# Altium PCB Receiver-board.PcbDoc (continued)
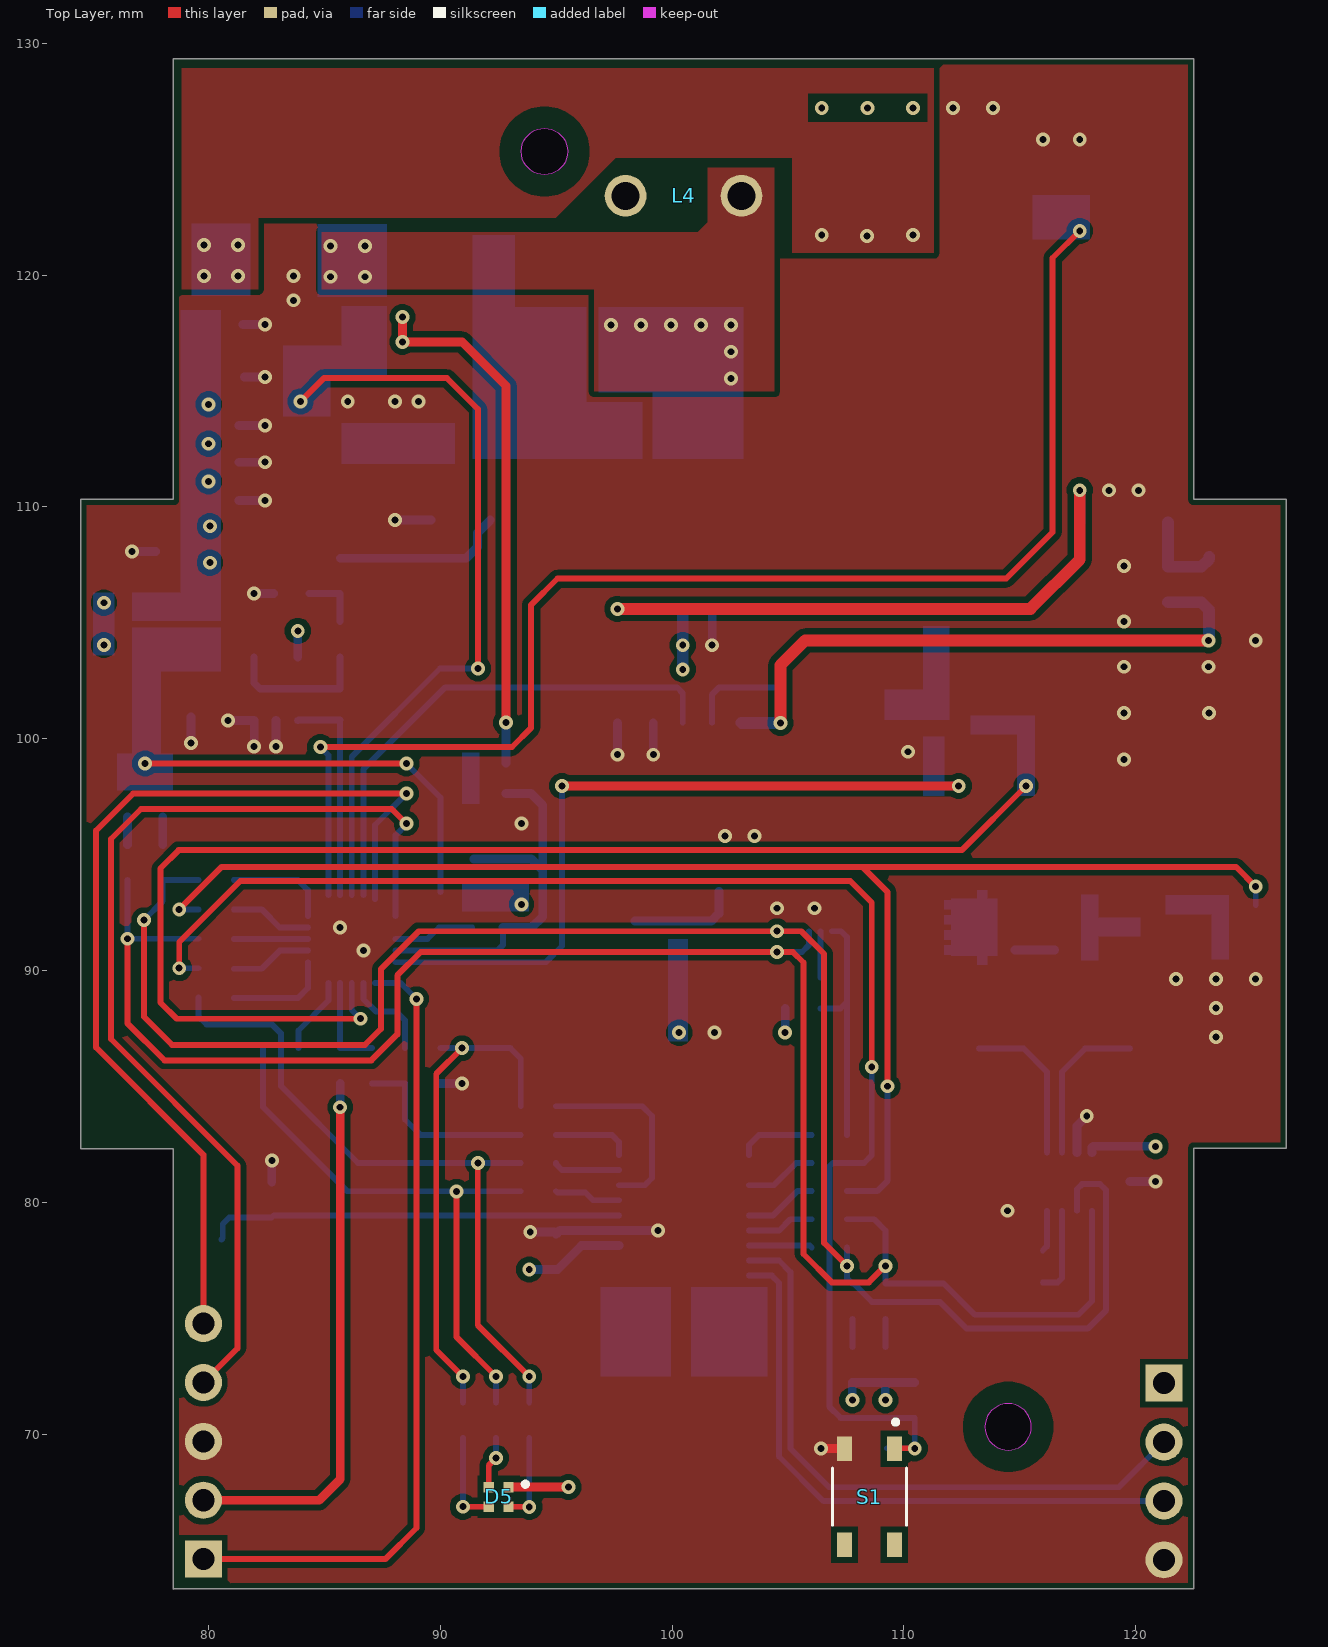
[diagram p0: Top Layer view]
## Footprints (in the part's own frame and the unit in brackets; to place one, negate y for a bottom-side part, rotate by r counter-clockwise, add the part's x,y. Pads: shape width x height; smd on the part's side, far side on the other; paste and mask are expansions set on the pad)
"0.5mm Test Pad" [mm]
  rect 2x2 smd: 1(0,0)
"2 Test Pad" [mil]
  oct 45x60 smd: 1(0,0) 2(78.74,0)
  silkscreen extent -29,-36 108,36
6-TSOP_ [mil]
  rect 27.52x20 smd: 1(-45.77,39.41) 2(-45.77,0) 3(-45.77,-39.41) 4(45.77,-39.41) 5(45.77,0) 6(45.77,39.41)
  silkscreen extent -71,-61 28,61, body extent -53,-59 53,59, height 39
"8-TDFN-EP (2x2)" [mm]
  rect 0.7x0.3 smd: 1(-0.99,0.75) 2(-0.99,0.25) 3(-0.99,-0.25) 4(-0.99,-0.75) 5(0.99,-0.75) 6(0.99,-0.25) 7(0.99,0.25) 8(0.99,0.75)
  rect 0.8x1.38 smd: 9(0,0)
  silkscreen extent -1.63,-1.1 1.05,1.1, body extent -1.05,-1.05 1.05,1.05, height 0.81
B3U-1000P [mm] "SWITCH TACTILE SPST-NO 0.05A 12V"
  rect 0.82x1.72 smd: 1(-1.7,0) 2(1.7,0)
  silkscreen extent -1.57,-1.3 1.57,1.3, body extent -2,-1.26 2,1.24, height 1.6
Cap-0603 [mil]
  rect 30x35 smd mask+2.36: 1(-30,0) 2(30,0)
  silkscreen extent -49,-21 49,21, body extent -32,-16 31,16, height 34
Cap-0805 [mil] "SMD 0805"
  rect 40x60 smd mask+2.76: 1(-40,0) 2(40,0)
  silkscreen extent -64,-34 64,34, body extent -39,-25 39,25, height 30
Cap-1206 [mil] "SMD 1206"
  rect 60x70 smd: 1(-50,0) 2(50,0)
  silkscreen extent -84,-39 84,39, body extent -63,-31 63,32, height 39
Cap-1210 [mil] "SMD 1210"
  rect 60x110 smd: 1(-50,0) 2(50,0)
  silkscreen extent -84,-59 84,59, body extent -63,-49 63,49, height 39
DIO_PMEG6045ETPX [mm]
  rect 1.4x2.1 smd paste-0.1: A(2.2,0) K(-2.2,0)
  silkscreen extent -3.6,-1.37 1.9,1.37, body extent -2.35,-1.25 2.35,1.25, height 1.1
HDR1X4_ [mm] "Connector; Header; 4 Position"
  rect 1.6x1.6 hole 0.95: 1(0,0)
  round 1.6 hole 0.95: 2(2.54,0) 3(5.08,0) 4(7.62,0)
  silkscreen extent -1.27,-1.27 8.89,1.27, body extent -1.27,-1.27 8.89,1.27, height 9.5
HDR1X5_ [mm] "Connector; Header; 5 Position"
  rect 1.6x1.6 hole 0.95: 1(0,0)
  round 1.6 hole 0.95: 2(2.54,0) 3(5.08,0) 4(7.62,0) 5(10.16,0)
  silkscreen extent -1.27,-1.27 11.43,1.27, body extent -1.27,-1.27 11.43,1.23, height 8.65
IND_XAL6060-153MEB [mm]
  rect 1.43x5.5 smd: 1(-2.02,0) 2(2.02,0)
  silkscreen extent -3.95,-3.28 3.18,3.28, body extent -3.18,-3.28 3.18,3.28, height 6.1
LRTBR48G-P9Q7-1+R7S5-26+NP-68-R33-ZB [mm]
  rect 0.45x0.45 smd paste-0.05: 1(0.425,0.425) 2(0.425,-0.425) 3(-0.425,-0.425) 4(-0.425,0.425)
  silkscreen extent 1.05,0.45 1.25,0.65
Res-0603 [mil]
  rect 30x35 smd: 1(-30,0) 2(30,0)
  silkscreen extent -48,-21 48,21, body extent -31,-17 31,17, height 18
Res-1206 [mil]
  rect 60x70 smd: 1(-50,0) 2(50,0)
  silkscreen extent -84,-39 84,39, body extent -63,-31 63,31, height 24
RES-2512 [mm]
  rect 1.6x3.4 smd: 1(-3.25,0) 2(3.25,0)
  silkscreen extent -4.24,-1.85 4.24,1.85, body extent -3.17,-1.63 3.18,1.63, height 0.58
SOD-123 [mm]
  rect 0.95x0.9 smd: 1(-1.575,0) 2(1.575,0)
  silkscreen extent -1.37,-0.8 2.82,0.8, body extent -1.82,-0.77 1.83,0.78, height 1.5
SOD-323 [mm]
  rrect25% 1x0.8 smd: NEG(1.2,0) POS(-1.2,0)
  silkscreen extent -0.13,-0.38 0.25,0.38, body extent -1.25,-0.64 1.25,0.64, height 1.17
SOIC8_NARROW_VIS [mil]
  rect 57.5x22 smd paste+0 mask+0: 1(-107.25,75) 2(-107.25,25) 3(-107.25,-25) 4(-107.25,-75) 5(107.25,-75) 6(107.25,-25) 7(107.25,25) 8(107.25,75)
  silkscreen extent -84,-103 84,103, body extent -122,-98 122,98, height 69
SOIC127P600X175-8N [mm]
  rrect25% 1.9x0.6 smd paste+0 mask+0.102: 1(-2.455,1.905) 2(-2.455,0.635) 3(-2.455,-0.635) 4(-2.455,-1.905) 5(2.455,-1.905) 6(2.455,-0.635) 7(2.455,0.635) 8(2.455,1.905)
  silkscreen extent -4.45,-2.52 1.95,2.6, body extent -3,-2.45 3,2.45, height 1.75
SOT65P280X145-8N [mm]
  rrect25% 1.21x0.48 smd: 1(-1.255,0.975) 2(-1.255,0.325) 3(-1.255,-0.325) 4(-1.255,-0.975) 5(1.255,-0.975) 6(1.255,-0.325) 7(1.255,0.325) 8(1.255,0.975)
  silkscreen extent -2.51,-1.54 0.8,1.54, body extent -1.4,-1.45 1.4,1.45, height 1.45
SOT95P237X112-3N [mm]
  rect 1.25x0.65 smd: 1(-1.05,0.95) 2(-1.05,-0.95) 3(1.05,0)
  silkscreen extent -1.68,-1.43 0.08,1.53
SOT95P270X145-5N [mil]
  rect 52x22 smd: 1(-54,37) 2(-54,0) 3(-54,-37) 4(54,-37) 5(54,37)
  silkscreen extent -25,49 25,61, body extent -53,-57 53,57, height 57
SOT103P240X110-3N [mil]
  rect 52x22 smd: 1(-40,40) 2(-40,-40) 3(40,0)
  silkscreen extent -4,-59 28,59, body extent -47,-57 47,57, height 45
SOT-23 [mm] "TRANS NPN 40V 0.6A SOT23"
  rect 0.82x0.92 smd: 1(-0.95,-1) 2(0.95,-1) 3(0,1)
  silkscreen extent -1.68,-1.3 1.55,0.81, body extent -1.5,-1.25 1.5,1.25, height 1.05
SOT-23-5 [mm]
  rect 1.1x0.6 smd: 1(-1.3,0.95) 2(-1.3,0) 3(-1.3,-0.95) 4(1.3,-0.95) 5(1.3,0.95)
  silkscreen extent -2.13,-1.5 0.88,1.5, body extent -1.4,-1.45 1.4,1.45, height 1.45
SW_SKRPABE010 [mm]
  rect 1.05x0.65 smd: 1(-2.075,1.075) 2(2.075,1.075) 3(-2.075,-1.075) 4(2.075,-1.075)
  silkscreen extent -3.32,-1.6 1.23,1.6, body extent -2.3,-1.6 2.3,1.6, height 2.5
TRANS_AON7407 [mm]
  rect 0.5x0.35 smd: 1(-1.4,0.975) 2(-1.4,0.325) 3(-1.4,-0.325) 4(-1.4,-0.975)
  rect 1x1 smd paste-1 mask+0: 5_6_7_8(0.36,0)
  Top Layer region: 0.215,1.225 1.35,1.225 1.35,1.175 1.65,1.175 1.65,0.775 1.35,0.775 1.35,0.525 1.65,0.525 1.65,0.125 1.35,0.125 1.35,-0.125 1.65,-0.125 1.65,-0.525 1.35,-0.525 1.35,-0.775 1.65,-0.775 1.65,-1.175 1.35,-1.175 1.35,-1.225 0.215,-1.225 0.215,-1.605 -0.215,-1.605 -0.215,-1.225 -0.63,-1.225 -0.63,1.225 -0.215,1.225 -0.215,1.605 0.215,1.605
  silkscreen extent -2.3,-1.5 -0.95,1.5, body extent -1.6,-1.55 1.6,1.55, height 0.9
TSSOP-20 [mm]
  rect 1.6x0.32 smd: 1(-2.8,2.925) 2(-2.8,2.275) 3(-2.8,1.625) 4(-2.8,0.975) 5(-2.8,0.325) 6(-2.8,-0.325) 7(-2.8,-0.975) 8(-2.8,-1.625) 9(-2.8,-2.275) 10(-2.8,-2.925) 11(2.8,-2.925) 12(2.8,-2.275) 13(2.8,-1.625) 14(2.8,-0.975) 15(2.8,-0.325) 16(2.8,0.325) 17(2.8,0.975) 18(2.8,1.625) 19(2.8,2.275) 20(2.8,2.925)
  silkscreen extent -3.88,-3.3 1.95,3.3, body extent -3.2,-3.25 3.2,3.25, height 1.2
UQFN20_GZ_MCH [mil]
  rect 32x10 smd paste+0 mask+0: 1(-74.5,39.37) 2(-74.5,19.68) 3(-74.5,0) 4(-74.5,-19.68) 5(-74.5,-39.37) 11(74.5,-39.37) 12(74.5,-19.68) 13(74.5,0) 14(74.5,19.68) 15(74.5,39.37)
  rect 10x32 smd paste+0 mask+0: 6(-39.37,-74.5) 7(-19.68,-74.5) 8(0,-74.5) 9(19.68,-74.5) 10(39.37,-74.5) 16(39.37,74.5) 17(19.68,74.5) 18(0,74.5) 19(-19.68,74.5) 20(-39.37,74.5)
  rect 109x109 smd paste-54.5 mask+0: 21(0,0)
  silkscreen extent -84,-84 84,84, body extent -79,-79 79,79, height 22
WE-WPCC_RX_760308102207 [mm]
  round 1.8 hole 1.2 mask+0.102: 1(-2.5,0) 2(2.5,0)
  body extent -20,-18.58 20,46.42, height 0.96

## Part data
C1 C2 C3: library part CAP-1206, "CC1206KKX7R0BB104 - CAP CER 0.1uF 100V 10% X7R SMD 1206"
C4: library part CAP-0805, "C0805C473K5RACTU - CAP CER 0.047uF 50V 10% X7R SMD 0805"
C5: library part CAP-0805, "885012007066 - CAP CER 3300pF 50V 5% NP0 SMD 0805"
C6 C24 C25: library part CAP-0603
C7 C8 C9 C11 C17 C18: library part CAP-1210, "UMK325AB7106MM - CAP CER 10uF 50V 20% X7R SMD 1210"
C10 C13: library part CAP-0603, "C0603C680J1GACTU - CAP CER 68pF 100V 5% C0G SMD 0603"
C12 C19: library part CAP-0603, "NMC0603X7R102K50TRPF - CAP CER 1000pF 50V 20% X7R SMD 0603"
C14 C29: library part CAP-0805, "C2012X5R1E475M125AB - CAP CER 4.7uF 25V 20% X5R SMD 0805"
C15 C16 C22 C26: library part CAP-0603, "06033C104JAT2A - CAP CER 0.1uF 25V 5% X7R SMD 0603"
C20 C23 C27 C28: library part CAP-0603, "CL10B104KO8NNNC - CAP CER 0.1uF 16V 10% X7R SMD 0603"
C21: library part CAP-0603, "885012206049 - CAP CER 0.33uF 16V 10% X7R SMD 0603"
D1 D2 D3 D4: "Rectifier Diode Schottky 4.5A 20ns Automotive 2-Pin SOD-128 T/R", Package="CFP5-2 Nexperia USA Inc.", Check_prices=https://www.snapeda.com/parts/PMEG6045ETPX/Nexperia/view-part/?ref=eda, MF=Nexperia, MP=PMEG6045ETPX, SnapEDA_Link=https://www.snapeda.com/parts/PMEG6045ETPX/Nexperia/view-part/?ref=snap
D6: Package="SOD-323 STMicroelectronics", Availability="In Stock", Check_prices=https://www.snapeda.com/parts/BAT54JFILM/STMicroelectronics/view-part/?ref=eda, MF=STMicroelectronics, MP=BAT54JFILM, Price=None, Purchase-URL=https://pricing.snapeda.com/search/part/BAT54JFILM/?ref=eda, SnapEDA_Link=https://www.snapeda.com/parts/BAT54JFILM/STMicroelectronics/view-part/?ref=snap
D7: "DIODE SCHOTTKY 20V 1A SOD123FL", Average Rectified Current=1A, Forward Voltage=340mV, LCSC Part Number=C295749, Manufacturer="ON Semiconductor", Max Forward Surge Current (Ifsm)=45A, Max Operating Temperature=125°C, Max Repetitive Reverse Voltage (Vrrm)=20V, Max Reverse Leakage Current=600uA, Min Operating Temperature=-65°C, Package Quantity=10000, Supplier Part Number 1=MBR120VLSFT3GOSCT-ND, ComponentLink1Description=http://www.mouser.com/ds/2/308/MBR120VLSFT1-D-107081.pdf?src-supplier=Mouser, ComponentLink1URL=http://www.mouser.com/ds/2/308/MBR120VLSFT1-D-107081.pdf?src-supplier=Mouser, ComponentLink2Description=http://www.onsemi.com/pub/Collateral/MBR120VLSFT1-D.PDF?src-supplier=Digi-Key, ComponentLink2URL=http://www.onsemi.com/pub/Collateral/MBR120VLSFT1-D.PDF?src-supplier=Digi-Key, ComponentLink3Description=http://www.onsemi.cn/pub_link/Collateral/MBR120VLSFT1-D.PDF?src-supplier=Avnet, ComponentLink3URL=http://www.onsemi.cn/pub_link/Collateral/MBR120VLSFT1-D.PDF?src-supplier=Avnet, Current Rating=1A, Element Configuration=Single, Forward Current=1A, Halogen Free="Halogen Free", Lead Free="Lead Free", Manufacturer Part Number=MBR120VLSFT3G, Max Reverse Voltage (DC)=20V, Max Surge Current=45A, Number of Pins=2, Output Current=1A, Packaging="Tape and Reel", Peak Non-Repetitive Surge Current=45A, Peak Reverse Current=600uA, Polarity=Standard, Pricing 1="1=0.42, 10=0.338, 100=0.2298, 500=0.17234, 1000=0.12926 (USD)", Radiation Hardening=No, REACH SVHC="No SVHC", Stock 1=130499, Supplier 1=Digi-Key, Voltage Rating (DC)=20V
J1: "Gold 250V 3A Straight Square Pins 2.5mm 5P 260℃ 6mm -40℃~+105℃ 3mm 2.54mm Plugin Black Brass 1x5P Plugin,P=2.54mm Pin Headers ROHS", LCSC Part Number=C706877, Manufacturer=XKB, Package=Plugin,P=2.54mm, ComponentLink1Description=LCSC, ComponentLink1URL=https://www.lcsc.com/product-detail/Pin-Headers_XKB-Connectivity-X6511WV-05H-C60D30_C706877.html, Item Type="Male Header", Manufacturer Part Number=X6511WV-05H-C60D30
J2: "Gold 250V 3A Straight Square Pins 2.5mm 4P 260℃ 6mm -40℃~+105℃ 3mm 2.54mm Plugin Black Brass 1x4P Plugin,P=2.54mm Pin Headers ROHS", LCSC Part Number=C706876, Manufacturer=XKB, Package=Plugin,P=2.54mm, ComponentLink1Description=LCSC, ComponentLink1URL=https://www.lcsc.com/product-detail/Pin-Headers_XKB-Connectivity-X6511WV-04H-C60D30_C706876.html, Item Type="Male Header", Manufacturer Part Number=X6511WV-04H-C60D30
L3: library part XAL6060-153MEB, "Power inductor, shielded, 20% tol, SMT, RoHS, halogen f", Package=None, Check_prices=https://www.snapeda.com/parts/XAL6060-153MEB/Coilcraft/view-part/?ref=eda, MF=Coilcraft, MP=XAL6060-153MEB, SnapEDA_Link=https://www.snapeda.com/parts/XAL6060-153MEB/Coilcraft/view-part/?ref=snap
L4: "RX 1 COIL 1 LYR BIFILAR 8UH 5A", Package="WÃ¼rth Elektronik", Check_prices=https://www.snapeda.com/parts/760308102207/W%25C3%25BCrth+Elektronik+Midcom/view-part/?ref=eda, MF="WÃ¼rth Elektronik", MP=760308102207, SnapEDA_Link=https://www.snapeda.com/parts/760308102207/W%25C3%25BCrth+Elektronik+Midcom/view-part/?ref=snap
Q1 Q2 Q5: "N-Channel 60 V 115mA (Ta) 370mW (Ta) Surface Mount SOT-23-3", Package="SOT-23-3 Diodes Inc.", Availability="In Stock", Check_prices=https://www.snapeda.com/parts/2N7002-7-F/Diodes+Inc./view-part/?ref=eda, MF="Diodes Inc.", MP=2N7002-7-F, Price=None, Purchase-URL=https://pricing.snapeda.com/search/part/2N7002-7-F/?ref=eda, SnapEDA_Link=https://www.snapeda.com/parts/2N7002-7-F/Diodes+Inc./view-part/?ref=snap
Q3: "DUAL N-CH 30-V (D-S) MOSFET W/SCHOTTKY", Manufacturer_Name=Vishay, Copyright="Copyright (C) 2025 Ultra Librarian. All rights reserved.", Datasheet=https://www.vishay.com/doc?73026, Manufacturer_Part_Number=SI4816BDY-T1-E3, RefDes=RefDes, Type=Type
Q6: "P-Channel 20 V 14.5A (Ta), 40A (Tc) 3.1W (Ta), 29W (Tc) Surface Mount 8-DFN-EP (3x3)", Package="PowerVDFN-8 Alpha &amp; Omega Semiconductor Inc.", Check_prices=https://www.snapeda.com/parts/AON7407/Alpha+%2526+Omega+Semiconductor+Inc./view-part/?ref=eda, MF="Alpha & Omega Semiconductor Inc.", MP=AON7407, SnapEDA_Link=https://www.snapeda.com/parts/AON7407/Alpha+%2526+Omega+Semiconductor+Inc./view-part/?ref=snap
Q7: "40V 200mW 100 200mA NPN SOT-23 Bipolar (BJT) ROHS", LCSC Part Number=C5249683, Manufacturer=ElecSuper, Package=SOT-23, ComponentLink1Description=LCSC, ComponentLink1URL=https://www.lcsc.com/product-detail/Bipolar-BJT_ElecSuper-MMBT3904_C5249683.html, Item Type=(BJT), Manufacturer Part Number=MMBT3904
Q8: "P-Channel MOSFETs ROHS", LCSC Part Number=C7202986, Manufacturer="TECH PUBLIC", Package=SOT-23, ComponentLink1Description=LCSC, ComponentLink1URL=https://www.lcsc.com/product-detail/MOSFETs_TECH-PUBLIC-DMG3415U_C7202986.html, Item Type=MOSFET, Manufacturer Part Number=DMG3415U
R1: library part RES-1206, "CRCW1206330RFKTA - RES TKF 330R 1% 1/4W SMD 1206"
R2 R32 R33 R34 R35 R36 R37 R38 R39 R40 R41 R42 R43 R44 R45 R46 R47 R48 R61: library part RES-0603
R3 R4 R14 R17 R18 R23 R26 R27 R29 R30: library part RES-0603, "CPF0603F10KC1 - RES TF 10k 1% 1/16W SMD 0603"
R5 R16 R24 R25 R31: library part RES-0603, "RMCF0603FT1K00 - RES TKF 1k 1% 1/10W SMD 0603"
R6: library part RES-0603, "CRCW060311K3FKEA - RES TKF 11.3k 1% 1/10W SMD 0603"
R7: library part RES-0603, "MC0063W060311K - RES TKF 1k 1% 1/16W SMD 0603"
R8: library part RES-0603, "ERJ-3EKF1102V - RES TKF 11k 1% 1/10W SMD 0603"
R9: library part RES-0603, "ERJ3EKF10R0V - RES TKF 10R 1% 1/10W SMD 0603"
R10 R11: library part RES-0603, "ERJ-3EKF2203V - RES TKF 220k 1% 1/10W SMD 0603"
R12: library part RES-0603, "RC0603FR-0710RL - 10R 0603"
R13 R50 R51 R52 R53 R54 R55 R56 R57 R58 R59 R60: library part RES-0603, "0R"
R15 R19 R49: library part RES-0603, "RC0603FR-0720KL - RES TKF 20k 1% 1/10W SMD 0603"
R20 R21: library part RES-0603, "CRCW0603510RFKEA - RES TKF 510R 1% 1/10W SMD 0603"
R22: library part RES-1206, "WSLP1206R0500FEA - RES MS 0.05R 1% 1W SMD 1206"
R28: library part RES-2512, "CRA2512-FZ-R100ELF - RES 0.1 OHM 1% 3W 2512"
S1: "Switch Tactile N.O. SPST Button J-Bend 0.05A 16VDC 1.57N SMD Automotive T/R", Package=None, Check_prices=https://www.snapeda.com/parts/SKRPABE010/ALPS/view-part/?ref=eda, MF=ALPS, MP=SKRPABE010, SnapEDA_Link=https://www.snapeda.com/parts/SKRPABE010/ALPS/view-part/?ref=snap
SW1: "SWITCH TACTILE SPST-NO 0.05A 12V", Contact Current Rating=50mA, Contact Resistance=100mR, Insulation Resistance=100MR, LCSC Part Number=C231329, Manufacturer=Omron, Max Operating Temperature=70°C, Max Voltage Rating (DC)=12V, Min Operating Temperature=-25°C, Operating Force=1.5N, Package Quantity=1, Ratings="Dust Proof,IP40", Supplier Part Number 1=SW1020DKR-ND, Actuator Length=0.4mm, Actuator Type=Standard, ComponentLink1Description=http://www.farnell.com/datasheets/60838.pdf?src-supplier=Farnell, ComponentLink1URL=http://www.farnell.com/datasheets/60838.pdf?src-supplier=Farnell, ComponentLink2Description=http://www.farnell.com/datasheets/60838.pdf?src-supplier=Element14, ComponentLink2URL=http://www.farnell.com/datasheets/60838.pdf?src-supplier=Element14, ComponentLink3Description=https://omronfs.omron.com/en_US/ecb/products/pdf/en-b3u.pdf?src-supplier=Digi-Key, ComponentLink3URL=https://omronfs.omron.com/en_US/ecb/products/pdf/en-b3u.pdf?src-supplier=Digi-Key, ComponentLink4Description=http://www.omron.com/ecb/products/pdf/en-b3u.pdf?src-supplier=Digi-Key, ComponentLink4URL=http://www.omron.com/ecb/products/pdf/en-b3u.pdf?src-supplier=Digi-Key, ComponentLink5Description=https://www.distrelec.biz/Web/Downloads/he/et/B3U_eng_datasheet.pdf?mime=application%2Fpdf&src-supplier=Distrelec, ComponentLink5URL=https://www.distrelec.biz/Web/Downloads/he/et/B3U_eng_datasheet.pdf?mime=application%2Fpdf&src-supplier=Distrelec, ComponentLink6Description=http://www.onlinecomponents.com/productFiles/mf-OM/en-b3u.pdf?src-supplier=Onlinecomponents.com, ComponentLink6URL=http://www.onlinecomponents.com/productFiles/mf-OM/en-b3u.pdf?src-supplier=Onlinecomponents.com, ComponentLink7Description=https://www.verical.com/server-webapp/html/getDatasheet?partID=552554&src-supplier=Verical, ComponentLink7URL=https://www.verical.com/server-webapp/html/getDatasheet?partID=552554&src-supplier=Verical, ComponentLink8Description=http://www.farnell.com/datasheets/1685550.pdf?src-supplier=Element14, ComponentLink8URL=http://www.farnell.com/datasheets/1685550.pdf?src-supplier=Element14, ComponentLink9Description=http://www.farnell.com/datasheets/2610940.pdf?src-supplier=Farnell, ComponentLink9URL=http://www.farnell.com/datasheets/2610940.pdf?src-supplier=Farnell, ComponentLink10Description=https://www.alliedelec.com/m/d/4c8a9ef82804fc3c241a13c1e298fd73.pdf?src-supplier=Allied+Electronics, ComponentLink10URL=https://www.alliedelec.com/m/d/4c8a9ef82804fc3c241a13c1e298fd73.pdf?src-supplier=Allied+Electronics, Contact Material=Silver, Current Rating=50mA, Depth=2.5mm, Electrical Life=200000Cycles, Height=1.2mm, Illumination Type=Non-Illuminated,Illuminated, Item Type=Switch, Lead Free="Lead Free", Length=4mm, Manufacturer Part Number=B3U-1000P, Max Current Rating=50mA, Mechanical Life=200000Cycles, Mount="Surface Mount", Orientation=Straight, Packaging="Tape and Reel", Pricing 1="1=1, 10=0.961, 25=0.9064, 50=0.7976, 100=0.7251, 250=0.68888, 500=0.67074, 1000=0.52571 (USD)", REACH SVHC=Unknown, Stock 1=116454, Supplier 1=Digi-Key, Switch Function=Off-Mom, Switch Travel=0.15mm, Termination=SMD/SMT, Throw Configuration=SPST, Voltage Rating (DC)=12V, Weight=0.000776oz, Width=3mm
TP1 TP2 TP3 TP4: "Test pad"
TP5: "Wire Connecting Pad", Item Type="Test Point", Manufacturer Part Number="2 Test Pad"
U1: "Linear Voltage Regulator IC Positive Fixed 1 Output  80mA SOT-23-3", Package="TO-236-3 Microchip Technology", Check_prices=https://www.snapeda.com/parts/MCP1799T-5002H/TT/Microchip/view-part/?ref=eda, MF="Microchip Technology", MP=MCP1799T-5002H/TT, SnapEDA_Link=https://www.snapeda.com/parts/MCP1799T-5002H/TT/Microchip/view-part/?ref=snap
U2: library part PIC16F18345-EGZ, "No Description Available", Manufacturer_Name=Microchip, Copyright="Copyright (C) 2025 Ultra Librarian. All rights reserved.", Manufacturer_Part_Number=PIC16F18345-E/GZ, RefDes=RefDes, Type=Embedded
U3: "IC REG LINEAR 3.3V 300MA SOT23-5", LCSC Part Number=C156285, Manufacturer=Diodes, ComponentLink1Description=https://datasheet.ciiva.com/30016/ap2127-30016760.pdf?src-supplier=Avnet, ComponentLink1URL=https://datasheet.ciiva.com/30016/ap2127-30016760.pdf?src-supplier=Avnet, ComponentLink2Description=https://datasheet.ciiva.com/29569/ap2127-29569893.pdf?src-supplier=Digikey, ComponentLink2URL=https://datasheet.ciiva.com/29569/ap2127-29569893.pdf?src-supplier=Digikey, Item Type=IC, Manufacturer Part Number=AP2127K-3.3TRG1, Pricing="3000=0.0623, 6000=0.0623 (USD)", RoHS=Yes, Stock=45000, Supplier="Arrow Electronics"
U4: "IC OPAMP GP 1 CIRCUIT SOT23-5", Package=None, Arrow_Electronics-Purchase-URL=https://snapeda.com/shop?store=Arrow+Electronics&id=4816934, Availability=Unavailable, DigiKey-Purchase-URL=https://snapeda.com/shop?store=DigiKey&id=4816934, MF="Microchip Technology", Mouser-Purchase-URL=https://snapeda.com/shop?store=Mouser&id=4816934, MP=MCP6021T-E/OT, Price=None, SnapEDA_Link=https://www.snapeda.com/parts/MCP6021T-E/OT/Atmel/view-part/4816934/?ref=snap
U5: "Microchip MCP14628-E/SN, Dual MOSFET Power Driver 2A, 4.5 to 5.5 V, 8-Pin SOIC", Package="SOIC-8 Microchip", Check_prices=https://www.snapeda.com/parts/MCP14628-E/SN/Microchip+Technology/view-part/?ref=eda, MF=Microchip, MP=MCP14628-E/SN, SnapEDA_Link=https://www.snapeda.com/parts/MCP14628-E/SN/Microchip+Technology/view-part/?ref=snap
U6: "26-V 12-bit I2C output digital power monitor", Package="SOT-23-8 Texas Instruments", Check_prices=https://www.snapeda.com/parts/INA219BIDCNT/Texas+Instruments/view-part/?ref=eda, MF="Texas Instruments", MP=INA219BIDCNT, SnapEDA_Link=https://www.snapeda.com/parts/INA219BIDCNT/Texas+Instruments/view-part/?ref=snap
U7: "IC BATT MON LI-ION 1CELL 8TDFN", LCSC Part Number=C2682616, Manufacturer=Maxim, Max Operating Temperature=85°C, Min Operating Temperature=-20°C, Operating Supply Current=23uA, Operating Supply Voltage=4.5V, Output Voltage=400mV, Package Quantity=10000, Supplier Part Number 1=700-MAX17048G+T10, Category="Battery Management", ComponentLink1Description=https://datasheet.ciiva.com/14083/max17048-max17049-14083973.pdf?src-supplier=Digi-Key, ComponentLink1URL=https://datasheet.ciiva.com/14083/max17048-max17049-14083973.pdf?src-supplier=Digi-Key, Contact Plating=Tin,Matte, Item Type=IC, Manufacturer Part Number=MAX17048G+T10, Mount="Surface Mount", Number of Pins=8, Packaging="Tape and Reel", Pricing 1="1=3.34000, 10=3.00000, 50=2.84000, 100=2.46000, 1000=1.89000, 10000=1.83000 (USD)", Radiation Hardening=No, RoHS=Yes, RoHS Compliant=Yes, Series=ModelGauge™, Stock 1=41293, Supplier 1=Mouser
U8: "IC MCU 32BIT 32KB FLASH 20TSSOP", LCSC Part Number=C724040, Manufacturer=STMicroelectronics, ComponentLink1Description=http://www.farnell.com/datasheets/2882477.pdf?src-supplier=Farnell, ComponentLink1URL=http://www.farnell.com/datasheets/2882477.pdf?src-supplier=Farnell, ComponentLink2Description=https://www.st.com/resource/en/datasheet/stm32g030c6.pdf?src-supplier=Digikey, ComponentLink2URL=https://www.st.com/resource/en/datasheet/stm32g030c6.pdf?src-supplier=Digikey, ComponentLink3Description=https://datasheet.octopart.com/STM32G030F6P6-STMicroelectronics-datasheet-137692524.pdf?src-supplier=TME, ComponentLink3URL=https://datasheet.octopart.com/STM32G030F6P6-STMicroelectronics-datasheet-137692524.pdf?src-supplier=TME, Item Type=IC, Manufacturer Part Number=STM32G030F6P6, Pricing="20=0.745, 296=0.71, 1110=0.68, 1850=0.67, 3700=0.635 (USD)", RoHS=Yes, Stock=15, Supplier="Future Electronics"

## Via types
v1: diameter 0.6, hole 0.3, Top Layer to Bottom Layer, tented both sides, 137 vias

## Nets (pads, with @x,y where several pads share a name; then routed paths per layer and width w, separated by ;. In a path a pad name is that pad's centre, name@x,y a point inside that pad or via, vN(x,y) a via of type N, cw(c..) or ccw(c..) an arc to the next point about the centre after c; other vN are vias at no path point)
+3V3: C23.2 C25.1 C27.2 D5.1 J2.1 Q8.3 R23.1 R31.1 R35.2 R36.2 U3.5 U6.4 U8.4 | length 16.9
  Top Layer w0.381: D5.1 v1(95.529,67.725)
  Bottom Layer w0.381: Q8.3 Q8.3@75.484,104.958 ; v1@75.484,104.053 Q8.3@75.484,104.958 ; v1(75.489,105.867) 75.484,105.863 Q8.3@75.484,104.958 ; v1(93.837,77.112) C27.2 95.059,77.112 96.094,78.146 U8.4 ; v1(104.877,87.325) R23.1 ; v1(107.772,71.474) R36.2 R35.2 ; v1(109.195,71.474) R35.2 ; R31.1 R35.2 ; U6.4 118.113,82.374 118.163,82.423 C23.2 v1(120.853,82.423)
  other v1: 100.305,87.325 75.489,104.048
+5V: C14.2 C15.2 C16.2 C22.2 D7.1 J1.2 Q8.1 R11.2 R13.2 R49.1 R61.1 U1.2 U4.5 U5.6 | length 27.1
  Top Layer w0.381: J1.2 84.772,67.158 85.682,68.068 v1(85.682,84.108)
  Bottom Layer w0.381: U4.5 v1(83.853,104.656) ; v1(85.682,84.108) R61.1
  Bottom Layer w0.508: v1(100.457,102.997) v1(100.457,104.037) U5.6
  other v1: 93.508,92.859 80.061,107.594 80.061,109.169 80.01,111.1 80.01,112.725 80.01,114.427
ALRT: R23.2 R55.1 U7.5 | length 10.5
  Bottom Layer w0.254: R23.2 107.255,88.367 107.543,88.654 ; U7.5 107.286,91.701 107.543,91.444 107.543,82.921 R55.1
BAT+: C6.2 C24.1 Q4.4 Q6.1 Q6.2 Q6.3 R5.2 R16.2 R25.1 TP1.1 U3.1 U7.2 U7.3
BATSW: Q5.1 R18.2 U2.20 | length 32.6
  Top Layer w0.381: v1(95.25,97.968) v1(112.36,97.968)
  Bottom Layer w0.254: U2.20 94.553,90.364 95.25,91.061 v1(95.25,97.968)
  Bottom Layer w0.381: R18.2 v1(112.36,97.968)
BLUE: R32.2 R47.2 R50.1 | length 25
  Top Layer w0.254: v1(90.703,80.467) 90.703,74.193 v1(92.405,72.492)
  Bottom Layer w0.254: R47.2 82.359,84.108 85.983,80.485 R50.1 ; R32.2 v1(92.405,72.492)
BUTTON: C26.2 R31.2 R45.2 R58.1 S1.1 | length 63.9
  Top Layer w0.254: v1(78.74,90.105) 78.74,91.235 81.373,93.868 107.681,93.868 108.61,92.939 v1(108.61,85.852) ; S1.1 109.597,69.398 v1(110.465,69.398)
  Bottom Layer w0.254: v1(78.74,90.105) R45.2 ; v1(108.61,85.852) 108.61,82.039 108.277,81.705 R58.1 106.93,81.705 106.782,81.556 106.782,71.193 107.263,70.712 R31.2 v1(110.465,69.398) C26.2
FSKI: C13.2 R6.1 R10.2 R11.1 U2.19 | length 17.2
  Bottom Layer w0.254: U2.19 92.46,90.864 92.71,91.114 R11.1
  Bottom Layer w0.381: R10.2 C13.2 93.916,94.821 94.419,94.318 ; R11.1 93.951,91.864 94.419,92.331 94.419,97.133 93.916,97.636 R6.1
GND: C6.1 C9.1 C11.1 C12.1 C13.1 C14.1 C15.1 C16.1 C17.1 C18.1 C19.1 C20.1 C22.1 C23.1 C24.2 C25.2 C26.1 C27.1 C28.1 C29.1 J1.3 J2.4 Q1.2 Q2.2 Q3.2 Q3.3 Q5.2 Q7.2 R1.1 R3.1 R4.1 R7.1 R10.1 R14.1 R17.1 R18.1 R22.1 R26.2 R27.2 R29.1 R30.1 R49.2 S1.3 SW1.2 TP2.1 TP4.1 U1.1 U2.17 U2.21 U3.2 U4.2 U4.3 U5.4 U5.7 U6.3 U7.1 U7.4 U7.9 U8.5 | length 28.8
  Top Layer w0.381: v1(106.426,69.385) S1.3
  Bottom Layer w0.381: v1(76.708,108.077) R49.2 ; v1(79.248,99.814) C29.1 ; v1(80.848,100.787) U4.3 v1(81.974,99.662) ; C22.1 v1(82.431,110.278) ; C16.1 v1(82.431,111.929) ; C15.1 v1(82.431,113.517) ; U1.1 v1(82.431,117.864) ; C14.1 v1(82.431,115.612) ; v1(81.974,106.261) C20.1 ; C28.1 82.734,80.88 82.734,81.805 v1(82.74,81.812) ; v1(82.914,99.662) U4.2 ; v1(88.04,109.433) R22.1 ; R4.1 v1(90.933,85.133) ; v1(93.879,78.724) 94.908,78.724 C27.1 95.156,78.796 v1(99.389,78.796) ; v1(97.638,99.314) R17.1 ; v1(99.187,99.314) U5.4 ; v1(101.727,104.037) U5.7 ; U6.3 117.463,83.304 v1(117.884,83.725) ; C23.1 v1(120.853,80.899)
  other v1: 114.459,79.644 123.453,87.139 101.829,87.325 123.453,88.388 121.736,89.637 123.453,89.637 125.171,89.637 86.682,90.864 85.682,91.864 104.523,92.691 106.147,92.691 102.285,95.809 103.556,95.809 93.508,96.345 119.482,99.108 110.166,99.441 119.482,101.108 123.165,101.108 119.482,103.108 123.139,103.108 125.171,104.242 119.482,105.055 119.482,107.455 118.85,110.719 120.12,110.719 86.008,114.554 88.04,114.554 89.056,114.554 83.668,118.914 83.668,119.964 115.991,125.857 117.58,125.857 106.453,127.203 108.421,127.203 110.39,127.203 112.116,127.203 113.843,127.203
GREEN: R33.2 R48.2 R52.1 | length 21.9
  Top Layer w0.254: v1(90.933,86.657) 89.824,85.547 89.824,73.641 v1(90.973,72.492)
  Bottom Layer w0.254: R48.2 v1(90.933,86.657) 93.028,86.657 93.472,86.213 R52.1 ; R33.2 v1(90.973,72.492)
HDR: D6.NEG R9.1 U5.1 | length 26.3
  Top Layer w0.508: v1(104.673,100.686) 104.673,103.175 105.74,104.242 v1(123.139,104.242)
  Bottom Layer w0.508: U5.1 103.006,100.686 v1(104.673,100.686) ; R9.1 122.827,105.893 123.165,105.555 D6.NEG 123.152,105.442 123.152,104.254 v1(123.139,104.242)
HTR_PWM: R24.2 R39.2 R51.2 | length 65.1
  Top Layer w0.254: v1(78.74,92.645) 80.571,94.476 108.202,94.476 ; v1(109.296,85.014) 109.296,93.382 108.202,94.476 ; v1(125.171,93.624) 124.319,94.476 108.202,94.476
  Bottom Layer w0.254: v1(78.74,92.645) R39.2 ; R51.2 108.844,80.491 109.296,80.944 v1(109.296,85.014) ; R24.2 v1(125.171,93.624)
ICLK: J1.5 U2.15 | length 42.3
  Top Layer w0.254: J1.5 79.781,82.06 75.159,86.683 75.159,96.046 76.749,97.636 v1(88.537,97.636)
  Bottom Layer w0.254: U2.15@87.182,93.086 U2.15 87.182,96.281 v1(88.537,97.636)
IDAT: J1.4 U2.16 | length 44
  Top Layer w0.254: J1.4 81.255,73.711 81.255,81.59 75.796,87.049 75.796,95.682 77.088,96.973 87.908,96.973 v1(88.537,96.345)
  Bottom Layer w0.254: U2.16 88.075,95.844 88.537,96.307 v1(88.537,96.345)
IOUT: R19.2 U2.12 U4.1 | length 9.4
  Bottom Layer w0.254: U2.12 R19.2
  Bottom Layer w0.305: U4.1 83.879,100.813 R19.2
ISNS: C7.1 C8.1 D1.A D3.A R21.2 R22.2 | length 7.5
  Bottom Layer w0.381: R21.2 91.116,107.785 91.61,108.279 91.61,108.89 R22.2
LDR: Q3.4 U5.5 | length 26.7
  Top Layer w0.508: v1(97.638,105.604) 115.452,105.604 117.58,107.732 v1(117.58,110.719)
  Bottom Layer w0.508: v1(97.638,105.604) U5.5 ; Q3.4 117.578,109.336 117.578,110.717 v1(117.58,110.719)
MCLR: J1.1 U2.1 | length 34.6
  Top Layer w0.254: J1.1 87.63,64.618 88.972,65.96 v1(88.972,88.781)
  Bottom Layer w0.254: U2.1 88.282,89.471 v1(88.972,88.781)
MOD: Q1.1 Q2.1 R3.2 U2.13 | length 32.8
  Top Layer w0.254: v1(83.976,114.554) 84.978,115.556 90.289,115.556 91.628,114.218 v1(91.628,103.03)
  Bottom Layer w0.254: U2.13 86.182,99.226 89.987,103.03 v1(91.628,103.03)
NetC1_2: C1.2 C2.2 C3.2 C4.2 C5.1 D1.K D2.A
NetC4_1: C4.1 Q1.3
NetC5_2: C5.2 D3.K D4.A L4.1 Q2.3
  other v1: 102.54,115.545 102.54,116.693 97.356,117.842 98.652,117.842 99.948,117.842 101.244,117.842 102.54,117.842 85.271,119.929 86.745,119.929 85.271,121.26 86.745,121.26
NetC10_2: C10.2 R6.2
NetC17_2: C17.2 C18.2 L3.2 Q4.1 Q4.2 Q4.5 Q4.6 R15.2
NetC20_2: C20.2 R20.2 R21.1 | length 2.6
  Bottom Layer w0.305: C20.2 R21.1 R20.2
NetC21_2: C21.2 U5.2 | length 4.4
  Bottom Layer w0.254: U5.2 101.727,101.918 102.027,102.218 104.504,102.218 C21.2@104.673,102.387
NetD5_2: D5.2 R34.1 | length 3.9
  Top Layer w0.254: D5.2 v1(93.837,66.875)
  Bottom Layer w0.254: v1(93.837,66.875) R34.1
NetD5_3: D5.3 R33.1 | length 4.1
  Top Layer w0.254: v1(90.973,66.878) 90.975,66.877 92.091,66.877 D5.3
  Bottom Layer w0.254: v1(90.973,66.878) R33.1
NetD5_4: D5.4 R32.1 | length 2.3
  Top Layer w0.254: D5.4 92.092,68.665 92.405,68.977 v1(92.405,68.986)
  Bottom Layer w0.254: v1(92.405,68.986) R32.1
NetD6_POS: D6.POS Q3.1 R9.2 | length 3.9
  Bottom Layer w0.508: Q3.1 R9.2 122.827,107.417 123.165,107.755 D6.POS
NetQ4_3: Q4.3 Q5.3 R16.1
NetQ6_4: Q6.4 R12.1 | length 1.7
  Bottom Layer w0.381: Q6.4 R12.1
NetQ6_5_6_7_8: Q6.5_6_7_8 R28.2 U6.1 | length 6.8
  Bottom Layer w0.254: R28.2 115.164,86.639 116.163,85.64 U6.1
NetQ7_1: Q7.1 R24.1 R26.1
NetQ7_3: Q7.3 R5.1 R12.2
NetR2_2: R2.2 R61.2 U2.4 | length 4.2
  Bottom Layer w0.254: U2.4 R61.2 R2.2
NetR13_1: R13.1 R37.1 U2.18 | length 3.5
  Bottom Layer w0.254: U2.18 89.441,91.364 89.941,91.864 R13.1
NetR19_1: R19.1 R20.1 U4.4 | length 6.3
  Bottom Layer w0.305: U4.4 81.974,102.408 82.223,102.159 85.682,102.159 R20.1
NetR25_2: R25.2 U3.3 | length 4.7
  Bottom Layer w0.381: R25.2 101.683,92.137 102.017,92.47 U3.3
NetR27_1: R27.1 U7.6 | length 2
  Bottom Layer w0.254: U7.6 106.397,89.717 R27.1
NetR28_1: R28.1 TP3.1 U6.2 | length 6.8
  Bottom Layer w0.254: U6.2 116.813,85.64 117.813,86.639 R28.1@119.741,86.639
NetR29_2: R29.2 U6.7 | length 3.8
  Bottom Layer w0.254: R29.2 116.633,76.556 116.813,76.736 U6.7
NetR30_2: R30.2 U6.8 | length 1.8
  Bottom Layer w0.254: R30.2 116.163,78.107 U6.8
NetR35_1: R35.1 R56.1 | length 1.2
  Bottom Layer w0.254: R35.1 R56.1
NetR36_1: R36.1 R57.1 | length 1.2
  Bottom Layer w0.254: R36.1 R57.1
NetR38_1: R38.1 U2.10 | length 4.5
  Bottom Layer w0.254: R38.1 83.851,93.915 84.29,93.477 U2.10
NetR39_1: R39.1 U2.9 | length 3.5
  Bottom Layer w0.254: R39.1 82.296,92.645 83.078,91.864 U2.9
NetR40_1: R40.1 R41.2 | length 1.2
  Bottom Layer w0.381: R41.2 R40.1
NetR42_1: R42.1 U2.8 | length 3.2
  Bottom Layer w0.254: R42.1 81.101,91.364 U2.8
NetR43_1: R43.1 R44.2 | length 1.2
  Bottom Layer w0.381: R44.2 R43.1
NetR45_1: R45.1 U2.7 | length 3.5
  Bottom Layer w0.254: R45.1@81.09,90.082 82.296,90.082 83.078,90.864 U2.7
NetR46_1: R46.1 U2.6 | length 4.5
  Bottom Layer w0.254: R46.1@81.09,88.812 83.851,88.812 84.29,89.251 U2.6
NetR47_1: R47.1 U2.5 | length 3.4
  Bottom Layer w0.254: R47.1 83.883,87.419 85.182,88.717 U2.5
NetR48_1: R48.1 U2.2 | length 4.1
  Bottom Layer w0.254: U2.2 86.682,88.781 87.232,88.231 88.111,88.231 88.481,87.861 R48.1
NetR50_2: R50.2 U8.7 | length 2.9
  Bottom Layer w0.254: R50.2 95.051,80.429 96.253,80.429 96.587,80.096 U8.7
NetR51_1: R51.1 U8.15 | length 3.1
  Bottom Layer w0.254: U8.15 104.355,79.446 105.4,80.491 R51.1
NetR52_2: R52.2 U8.8 | length 8.5
  Bottom Layer w0.254: R52.2 98.716,84.15 99.135,83.731 99.135,81.056 98.825,80.746 U8.8
NetR53_2: R53.2 U8.9 | length 2.9
  Bottom Layer w0.254: R53.2 94.996,81.65 95.25,81.396 U8.9
NetR54_2: R54.2 U8.10 | length 3.4
  Bottom Layer w0.254: R54.2 97.395,82.918 97.708,82.605 U8.10
NetR55_2: R55.2 U8.11 | length 3.3
  Bottom Layer w0.254: U8.11 103.308,82.475 103.752,82.92 R55.2
NetR58_2: R58.2 U8.13 | length 3.1
  Bottom Layer w0.254: U8.13 104.389,80.746 105.348,81.705 R58.2
NetR59_2: R59.2 U8.16 | length 2.9
  Bottom Layer w0.254: U8.16 104.617,78.796 105.098,79.277 R59.2
NetR60_2: R60.2 U8.17 | length 2.7
  Bottom Layer w0.254: U8.17 105.936,78.146 R60.2
NetTP5_1: TP5.1 U8.20
NetTP5_2: TP5.2 U8.1
NRST: C28.2 SW1.1 U8.6 | length 17.9
  Bottom Layer w0.254: SW1.1 80.62,78.462 80.62,79.07 80.899,79.35 C28.2 82.824,79.446 U8.6
PHS: C21.1 L3.1 Q3.5 Q3.6 Q3.7 U5.8
PWM: R17.2 U2.14 U5.3 | length 22
  Bottom Layer w0.254: U2.14 86.682,98.684 90.217,102.218 R17.2 100.208,102.218 100.457,101.969 U5.3
RED: R34.2 R46.2 R53.1 | length 29.9
  Top Layer w0.254: v1(91.618,81.7) 91.618,74.711 v1(93.837,72.492)
  Bottom Layer w0.254: R46.2 79.566,88.038 79.919,87.684 82.736,87.684 83.121,87.299 83.121,85.03 86.451,81.7 v1(91.618,81.7) R53.1 ; R34.2 v1(93.837,72.492)
SCL: R41.1 R42.2 R56.2 R59.1 U6.5 U7.7 | length 79.4
  Top Layer w0.254: v1(76.505,91.375) 76.505,87.732 78.105,86.131 87.026,86.131 88.146,87.251 88.146,89.795 89.158,90.807 v1(104.523,90.807) 105.205,90.807 105.664,90.348 105.664,77.775 106.884,76.556 108.483,76.556 v1(109.195,77.267)
  Bottom Layer w0.254: R41.1 v1(76.505,91.375) R42.2 ; v1(104.523,90.807) 105.605,90.807 105.897,91.098 U7.7 ; R59.1 108.714,79.277 109.195,78.796 v1(109.195,77.267) R56.2 111.71,76.504 113.055,75.159 117.526,75.159 118.113,75.746 U6.5
SDA: R38.2 R44.1 R57.2 R60.1 U6.6 U7.8 | length 77.6
  Top Layer w0.254: v1(77.217,92.186) 77.217,88.01 78.427,86.8 86.749,86.8 87.435,87.486 87.435,90.064 89.071,91.701 v1(104.523,91.701) 105.575,91.701 106.558,90.718 106.558,78.252 v1(107.544,77.267)
  Bottom Layer w0.254: v1(77.217,92.186) 78.029,92.998 R44.1 R38.2 ; v1(104.523,91.701) U7.8 ; R60.1 v1(107.544,77.267) 107.544,76.732 R57.2 107.836,76.504 108.623,75.717 111.542,75.717 112.701,74.557 117.92,74.557 118.72,75.356 118.72,80.533 118.458,80.794 117.684,80.794 117.463,80.573 U6.6
STATUS: R2.1 R4.2 R54.1 | length 8.1
  Bottom Layer w0.254: R2.1 R4.2@88.382,85.133 ; R4.2 88.481,83.58 89.143,82.918 R54.1
SWCLK: J2.3 U8.19 | length 26.3
  Bottom Layer w0.254: U8.19 104.3,76.846 104.608,76.538 104.608,69.042 106.521,67.128 J2.3
SWDIO: J2.2 U8.18 | length 27.2
  Bottom Layer w0.254: U8.18 104.608,77.496 105.098,77.006 105.098,69.39 106.769,67.718 119.265,67.718 J2.2
V-OR: C29.2 D7.2 Q8.2 R37.2 R40.2 R43.2 | length 17.4
  Top Layer w0.254: v1(77.267,98.933) v1(88.537,98.933)
  Bottom Layer w0.254: v1(88.537,98.933) 90.005,97.465 R37.2
VINS: C12.2 R7.2 R8.1 U2.11 | length 58.5
  Top Layer w0.254: v1(84.827,99.644) 93.092,99.644 93.919,100.472 93.919,105.775 95.056,106.913 114.412,106.913 116.408,108.909 116.408,120.734 v1(117.58,121.906)
  Bottom Layer w0.254: v1(84.827,99.644) 85.182,99.289 U2.11
VOUTS: C19.2 R14.2 R15.1 U2.3 | length 55.2
  Top Layer w0.254: v1(86.555,87.927) 78.63,87.927 77.927,88.629 77.927,94.409 78.715,95.197 112.494,95.197 v1(115.265,97.968)
  Bottom Layer w0.254: U2.3 86.182,88.3 v1(86.555,87.927)
VREC: C7.2 C8.2 C9.2 C11.2 D2.K D4.K Q3.8 R1.2 R8.2 U1.3
  other v1: 79.807,119.964 81.28,119.964 79.807,121.295 81.28,121.295 108.407,121.691 106.453,121.723 110.39,121.723
VTANK: C1.1 C2.1 C3.1 C10.1 L4.2 | length 22.6
  Top Layer w0.381: v1(88.367,118.186) v1(88.367,117.119) 90.936,117.119 92.837,115.219 v1(92.837,100.694)
  Bottom Layer w0.381: C10.1 v1(92.837,100.694)
pads on no net: S1.2 S1.4 U3.4 U8.2 U8.3 U8.12 U8.14

## Polygon pours and split planes (outlines as drawn)
GND on Bottom Layer "GND_L04_P012" (solid, remove dead copper, pour order 12): 74.492,82.322 74.492,110.322 78.492,110.322 78.492,129.332 122.492,129.332 122.492,110.332 126.492,110.332 126.492,82.332 122.492,82.332 122.492,63.322 78.492,63.322 78.492,82.322
NetR28_1 on Bottom Layer "NETR28_1_L04_P010" (solid, pour order 10): 126.171,85.939 123.661,85.939 121.261,88.339 118.936,88.339 118.936,84.939 119.936,83.939 126.171,83.939
BAT+ on Bottom Layer "BAT+_L04_P009" (solid, pour order 9): 122.199,100.365 122.199,97.688 121.59,97.079 108.839,97.079 108.458,97.46 108.458,102.337 108.75,102.629 110.445,102.629 110.445,104.856 107.523,104.856 106.02,103.353 106.02,99.263 105.258,98.501 97.955,98.501 97.955,92.857 100.417,92.857 100.417,95.87 101.295,96.749 104.886,96.749 105.666,95.969 105.666,93.412 105.747,93.331 106.547,93.331 106.629,93.414 106.629,94.562 107.063,94.996 113.741,94.996 114.533,94.205 114.533,91.367 115.472,91.367 115.503,91.336 115.503,91.992 116.842,91.992 116.867,92.017 116.867,94.205 126.187,94.205 126.187,100.365
NetQ6_5_6_7_8 on Bottom Layer "NETQ6_5_6_7_8_L04_P008" (solid, pour order 8): 114.036,93.286 114.036,84.939 111.072,84.939 110.719,85.293 110.719,93.32 111.081,93.682 113.64,93.682
ISNS on Bottom Layer "ISNS_L04_P005" (solid, pour order 5): 91.392,111.633 91.392,108.026 105.86,108.026 106.453,108.619 106.453,115.927 106.934,116.408 111.787,116.408 111.787,118.604 103.632,118.604 103.632,111.633
NetC17_2 on Bottom Layer "NETC17_2_L04_P004" (solid, pour order 4): 109.867,111.747 109.449,111.328 109.449,107.572 108.933,107.057 108.933,105.349 112.547,105.349 112.547,101.702 115.773,101.702 115.799,101.676 115.799,111.195 115.247,111.747
PHS on Bottom Layer "PHS_L04_P003" (solid, pour order 3): 108.396,115.665 107.366,114.635 107.366,108.28 105.618,106.532 102.719,106.532 102.719,104.037 103.378,103.378 105.118,103.378 105.118,104.695 108.775,108.352 108.775,112.111 109.211,112.547 119.812,112.547 120.396,113.132 120.396,115.665
VREC on Bottom Layer "VREC_L04_P002" (solid, pour order 2): 93.726,121.723 93.726,119.112 119.38,119.112 120.752,117.741 120.752,113.589 122.205,113.589 122.205,121.144 114.732,121.144 114.732,123.831 104.851,123.831 104.851,121.723 93.701,121.723
VTANK on Bottom Layer "VTANK_L04_P000" (solid, pour order 0): 99.646,122.199 100.228,122.782 100.228,128.016 99.39,128.854 88.824,128.854 87.986,128.016 87.986,115.373 90.884,115.373 90.884,122.199
GND on Top Layer "GND_L01_P015" (solid, remove dead copper, pour order 15): 74.492,82.322 74.492,110.322 78.492,110.322 78.492,129.332 122.492,129.332 122.492,110.332 126.492,110.332 126.492,82.332 122.492,82.332 122.492,63.322 78.492,63.322 78.492,82.322
VREC on Top Layer "VREC_L01_P007" (solid, pour order 7): 105.181,120.955 105.181,125.07 97.561,125.07 94.971,122.479 82.144,122.479 82.144,119.393 78.842,119.393 78.842,128.93 111.282,128.93 111.282,120.955
NetC5_2 on Top Layer "NETC5_2_L01_P006" (solid, pour order 6): 101.542,124.625 101.542,122.288 101.111,121.856 84.887,121.856 84.887,119.393 96.647,119.393 96.647,114.986 104.413,114.986 104.413,124.625
+3V3 on PWR "+3V3_L02_P013" (solid, pour order 13): 74.492,82.322 74.492,110.322 78.492,110.322 78.492,129.332 122.492,129.332 122.492,110.332 126.492,110.332 126.492,82.332 122.492,82.332 122.492,63.322 78.492,63.322 78.492,82.322
+5V on PWR "+5V_L02_P011" (solid, pour order 11): 97.79,82.753 98.984,83.947 98.984,87.96 99.797,88.773 106.578,88.773 126.492,88.773 126.492,110.332 122.492,110.332 122.492,129.332 78.492,129.332 78.492,110.322 74.492,110.322 74.492,106.662 78.173,106.662 81.356,103.48 98.374,103.48 100.381,101.473 100.381,94.107 99.974,93.701 92.481,93.701 92.481,86.665 91.643,85.827 85.141,85.827 85.141,82.753
GND on GND "GND_L03_P014" (solid, remove dead copper, pour order 14): 74.492,82.322 74.492,110.322 78.492,110.322 78.492,129.332 122.492,129.332 122.492,110.332 126.492,110.332 126.492,82.332 122.492,82.332 122.492,63.322 78.492,63.322 78.492,82.322

## Other copper
Top Layer:
  pour cut-out: 114.495,68.382 cw(c114.495,70.32) 112.556,70.32 cw(c114.495,70.32) 114.495,72.259 cw(c114.495,70.32) 116.434,70.32 cw(c114.495,70.32)
  pour cut-out: 94.495,123.392 cw(c94.495,125.33) 92.556,125.33 cw(c94.495,125.33) 94.495,127.269 cw(c94.495,125.33) 96.434,125.33 cw(c94.495,125.33)
  pour cut-out: 105.156,122.276 104.413,121.532 104.413,120.93 104.637,120.705 105.135,120.705 105.135,122.238 105.186,122.288
  pour cut-out: 105.867,127.813 105.867,126.619 110.998,126.619 110.998,127.813
PWR:
  pour cut-out: 114.495,68.382 cw(c114.495,70.32) 112.556,70.32 cw(c114.495,70.32) 114.495,72.259 cw(c114.495,70.32) 116.434,70.32 cw(c114.495,70.32)
  pour cut-out: 94.495,123.392 cw(c94.495,125.33) 92.556,125.33 cw(c94.495,125.33) 94.495,127.269 cw(c94.495,125.33) 96.434,125.33 cw(c94.495,125.33)
GND:
  pour cut-out: 114.495,68.382 cw(c114.495,70.32) 112.556,70.32 cw(c114.495,70.32) 114.495,72.259 cw(c114.495,70.32) 116.434,70.32 cw(c114.495,70.32)
  pour cut-out: 94.495,123.392 cw(c94.495,125.33) 92.556,125.33 cw(c94.495,125.33) 94.495,127.269 cw(c94.495,125.33) 96.434,125.33 cw(c94.495,125.33)
Bottom Layer:
  rectangle net +3V3: 75.019,103.593 75.939,106.313
  rectangle net +3V3: 99.817,86.953 100.686,91.357
  rectangle net +5V: 90.933,92.556 93.83,93.769
  rectangle net NetQ4_3: 110.826,100.813 111.957,104.856
  rectangle net NetQ4_3: 109.15,100.813 111.957,102.133
  rectangle net BATSW: 110.826,97.523 111.741,100.101
  rectangle net VOUTS: 112.865,100.178 115.646,101.003
  rectangle net VOUTS: 114.884,97.536 115.646,101.003
  rectangle net NetQ7_1: 121.276,92.416 124.028,93.271
  rectangle net NetQ7_1: 123.266,90.482 124.028,93.271
  rectangle net NetQ7_3: 117.629,91.466 120.196,92.286
  rectangle net NetQ7_3: 117.629,90.447 118.391,93.286
  region net NetTP5_2: 99.961,76.356 96.908,76.356 96.908,72.492 99.961,72.492
  rectangle net NetTP5_1: 100.813,72.492 104.108,76.356
  rectangle net NetC10_2: 90.932,97.192 91.694,99.402
  rectangle net V-OR: 76.06,97.776 78.473,99.365
  rectangle net V-OR: 76.708,97.776 77.96,104.791
  rectangle net V-OR: 76.708,102.903 80.543,104.791
  rectangle net V-OR: 77.019,103.593 80.543,104.791
  rectangle net +5V: 76.708,105.087 80.543,106.313
  rectangle net +5V: 78.798,105.087 80.543,118.489
  rectangle net VINS: 115.546,121.525 118.025,123.45
  rectangle net VREC: 79.268,119.097 81.818,122.235
  rectangle net NetC5_2: 84.713,119.062 87.706,122.199
  rectangle net MOD: 83.223,115.503 87.706,116.97
  rectangle net MOD: 83.223,113.894 85.271,116.246
  rectangle net MOD: 85.729,116.103 87.706,118.669
  rectangle net NetC4_1: 85.729,111.862 90.63,113.616
  rectangle net NetC5_2: 99.163,112.07 103.072,118.383
  rectangle net NetC5_2: 96.825,114.935 103.072,118.634
  rectangle net NetC1_2: 91.392,112.371 96.3,118.634
  rectangle net NetC1_2: 91.392,112.07 98.73,114.529
  rectangle net NetC1_2: 91.392,112.371 93.218,121.723
  pour cut-out: 114.495,68.382 cw(c114.495,70.32) 112.556,70.32 cw(c114.495,70.32) 114.495,72.259 cw(c114.495,70.32) 116.434,70.32 cw(c114.495,70.32)
  pour cut-out: 94.495,123.392 cw(c94.495,125.33) 92.556,125.33 cw(c94.495,125.33) 94.495,127.269 cw(c94.495,125.33) 96.434,125.33 cw(c94.495,125.33)
  pour cut-out: 84.454,122.199 84.454,129.014 84.772,129.332 86.669,129.332 87.802,128.199 87.802,122.296 87.706,122.199
  pour cut-out: 90.474,92.883 90.372,92.984 89.458,92.984 89.241,92.768 89.241,92.273 90.459,92.273 90.474,92.258
  pour cut-out: 86.369,107.27 86.268,107.371 85.353,107.371 85.137,107.155 85.137,106.66 86.354,106.66 86.369,106.646
  pour cut-out: 86.369,101.822 86.268,101.923 85.353,101.923 85.137,101.707 85.137,101.212 86.354,101.212 86.369,101.197
  pour cut-out: 86.369,104.539 86.268,104.641 85.353,104.641 85.137,104.424 85.137,103.93 86.354,103.93 86.369,103.915
  pour cut-out: 77.048,103.933 76.946,104.035 76.032,104.035 75.815,103.818 75.815,103.324 77.033,103.324 77.048,103.309
  pour cut-out: 75.762,106.066 75.864,105.964 76.778,105.964 76.995,106.181 76.995,106.675 75.777,106.675 75.762,106.69
  pour cut-out: 79.641,93.943 79.742,93.842 80.657,93.842 80.873,94.058 80.873,94.553 79.655,94.553 79.641,94.567
  pour cut-out: 78.716,94.924 78.614,95.026 77.7,95.026 77.483,94.809 77.483,94.315 78.701,94.315 78.716,94.3
  pour cut-out: 77.192,94.924 77.09,95.026 76.176,95.026 75.959,94.809 75.959,94.315 77.177,94.315 77.192,94.3
  pour cut-out: 78.716,97.642 78.614,97.744 77.7,97.744 77.483,97.527 77.483,97.033 78.701,97.033 78.716,97.018
  pour cut-out: 77.192,97.642 77.09,97.744 76.176,97.744 75.959,97.527 75.959,97.033 77.177,97.033 77.192,97.018
  pour cut-out: 86.229,79.409 86.331,79.511 86.331,80.425 86.114,80.642 85.62,80.642 85.62,79.424 85.605,79.409
  pour cut-out: 101.023,72.854 100.922,72.956 100.007,72.956 99.791,72.739 99.791,72.244 101.009,72.244 101.023,72.23
  pour cut-out: 99.758,75.975 99.86,75.874 100.774,75.874 100.991,76.09 100.991,76.585 99.773,76.585 99.758,76.6
  pour cut-out: 105.333,71.118 105.434,71.017 106.349,71.017 106.565,71.233 106.565,71.728 105.347,71.728 105.333,71.743
  pour cut-out: 115.364,75.468 115.466,75.366 116.38,75.366 116.597,75.583 116.597,76.078 115.379,76.078 115.364,76.092
  pour cut-out: 110.725,100.203 110.826,100.101 111.741,100.101 111.957,100.318 111.957,100.813 110.739,100.813 110.725,100.827
  pour cut-out: 118.11,108.35 116.078,108.35 116.078,111.552 116.815,112.288 118.11,112.268 118.11,110.993 118.11,110.319
  pour cut-out: 104.612,123.93 104.612,129.332 101.685,129.332 100.468,128.115 100.468,122.519 100.965,122.022 102.676,122.022 104.668,124.014
  pour cut-out: 102.235,107.772 102.235,106.941 102.697,106.479 103.985,107.767 102.286,107.767
  pour cut-out: 110.719,85.293 110.196,85.293 110.196,94.986 110.719,94.464
  pour cut-out: 116.867,94.205 117.629,94.205 117.629,90.447 117.375,90.193 117.121,90.193 116.867,90.447
  pour cut-out: 118.682,88.593 114.29,88.593 114.036,88.339 114.036,84.939 114.29,84.685 118.682,84.685 118.936,84.939 118.936,88.339

## Silkscreen, mask and mechanical layers (free items; w line width, h text height)
Bottom Overlay:
  text "-" at 123.918,102.584 h1 r90
  text "+" at 123.966,99.612 h1 r90
  text "BATTERY" at 121.437,97.409 h1 r270
  text "-" at 123.842,88.214 h1 r90
  text "+" at 123.89,85.242 h1 r90
  text "HEATER" at 121.437,83.744 h1 r270
  text "RESET" at 84.099,77.927 h1 r270
  text "ICLK" at 85.547,74.278 h1
  text "PB7" at 98.069,72.746 h1
  text "PB6" at 105.283,72.695 h1
  text "IDAT" at 85.547,71.738 h1
  text "3V3" at 119.386,71.708 h1
  text "GND" at 85.547,69.198 h1
  text "SWDIO" at 119.386,69.168 h1
  text "5V0" at 85.547,66.658 h1
  text "SWCLK" at 119.386,66.628 h1
  text "MCLR" at 85.547,64.118 h1
  text "GND" at 119.386,64.088 h1
Dimension:
  drawing of 19638 lines, arcs and shapes, not listed
Board Outline:
  circle w0.127: c94.492,125.332 r1
  circle w0.127: c114.492,70.322 r1
  lines w0.254: 78.492,63.322 78.492,82.322 ; 78.492,63.332 122.492,63.332 122.492,82.332 ; 78.492,110.322 74.492,110.322 74.492,82.322 ; 78.492,110.332 78.492,129.332 122.492,129.332 122.492,110.332 ; 74.492,82.322 78.492,82.322 ; 74.492,82.322 78.492,82.322 ; 122.492,82.332 126.492,82.332 ; 122.492,82.332 126.492,82.332 ; 122.492,110.332 126.492,110.332 ; 122.492,110.332 126.492,110.332 ; 126.492,82.332 126.492,110.332

## Dimensions
122.492,129.332 to 122.492,63.332 on Board Outline
78.492,129.332 to 122.492,129.332 on Board Outline

## Text inside footprints (layer, text, board x,y; h text height)
L4: Mechanical 13 "1" at 103.292,122.019 h0.81 r180; Mechanical 13 "2" at 98.292,122.219 h0.81 r180; Mechanical 13 "5.0mm" at 102.192,125.319 h0.81 r180
Q3: Bottom Overlay "*" at 121.818,108.763 h1.27 r270
U2: Bottom Overlay "*" at 86.797,88.113 h1.27 r270